# KiCad board oresat-live-card.kicad_pcb (continued)
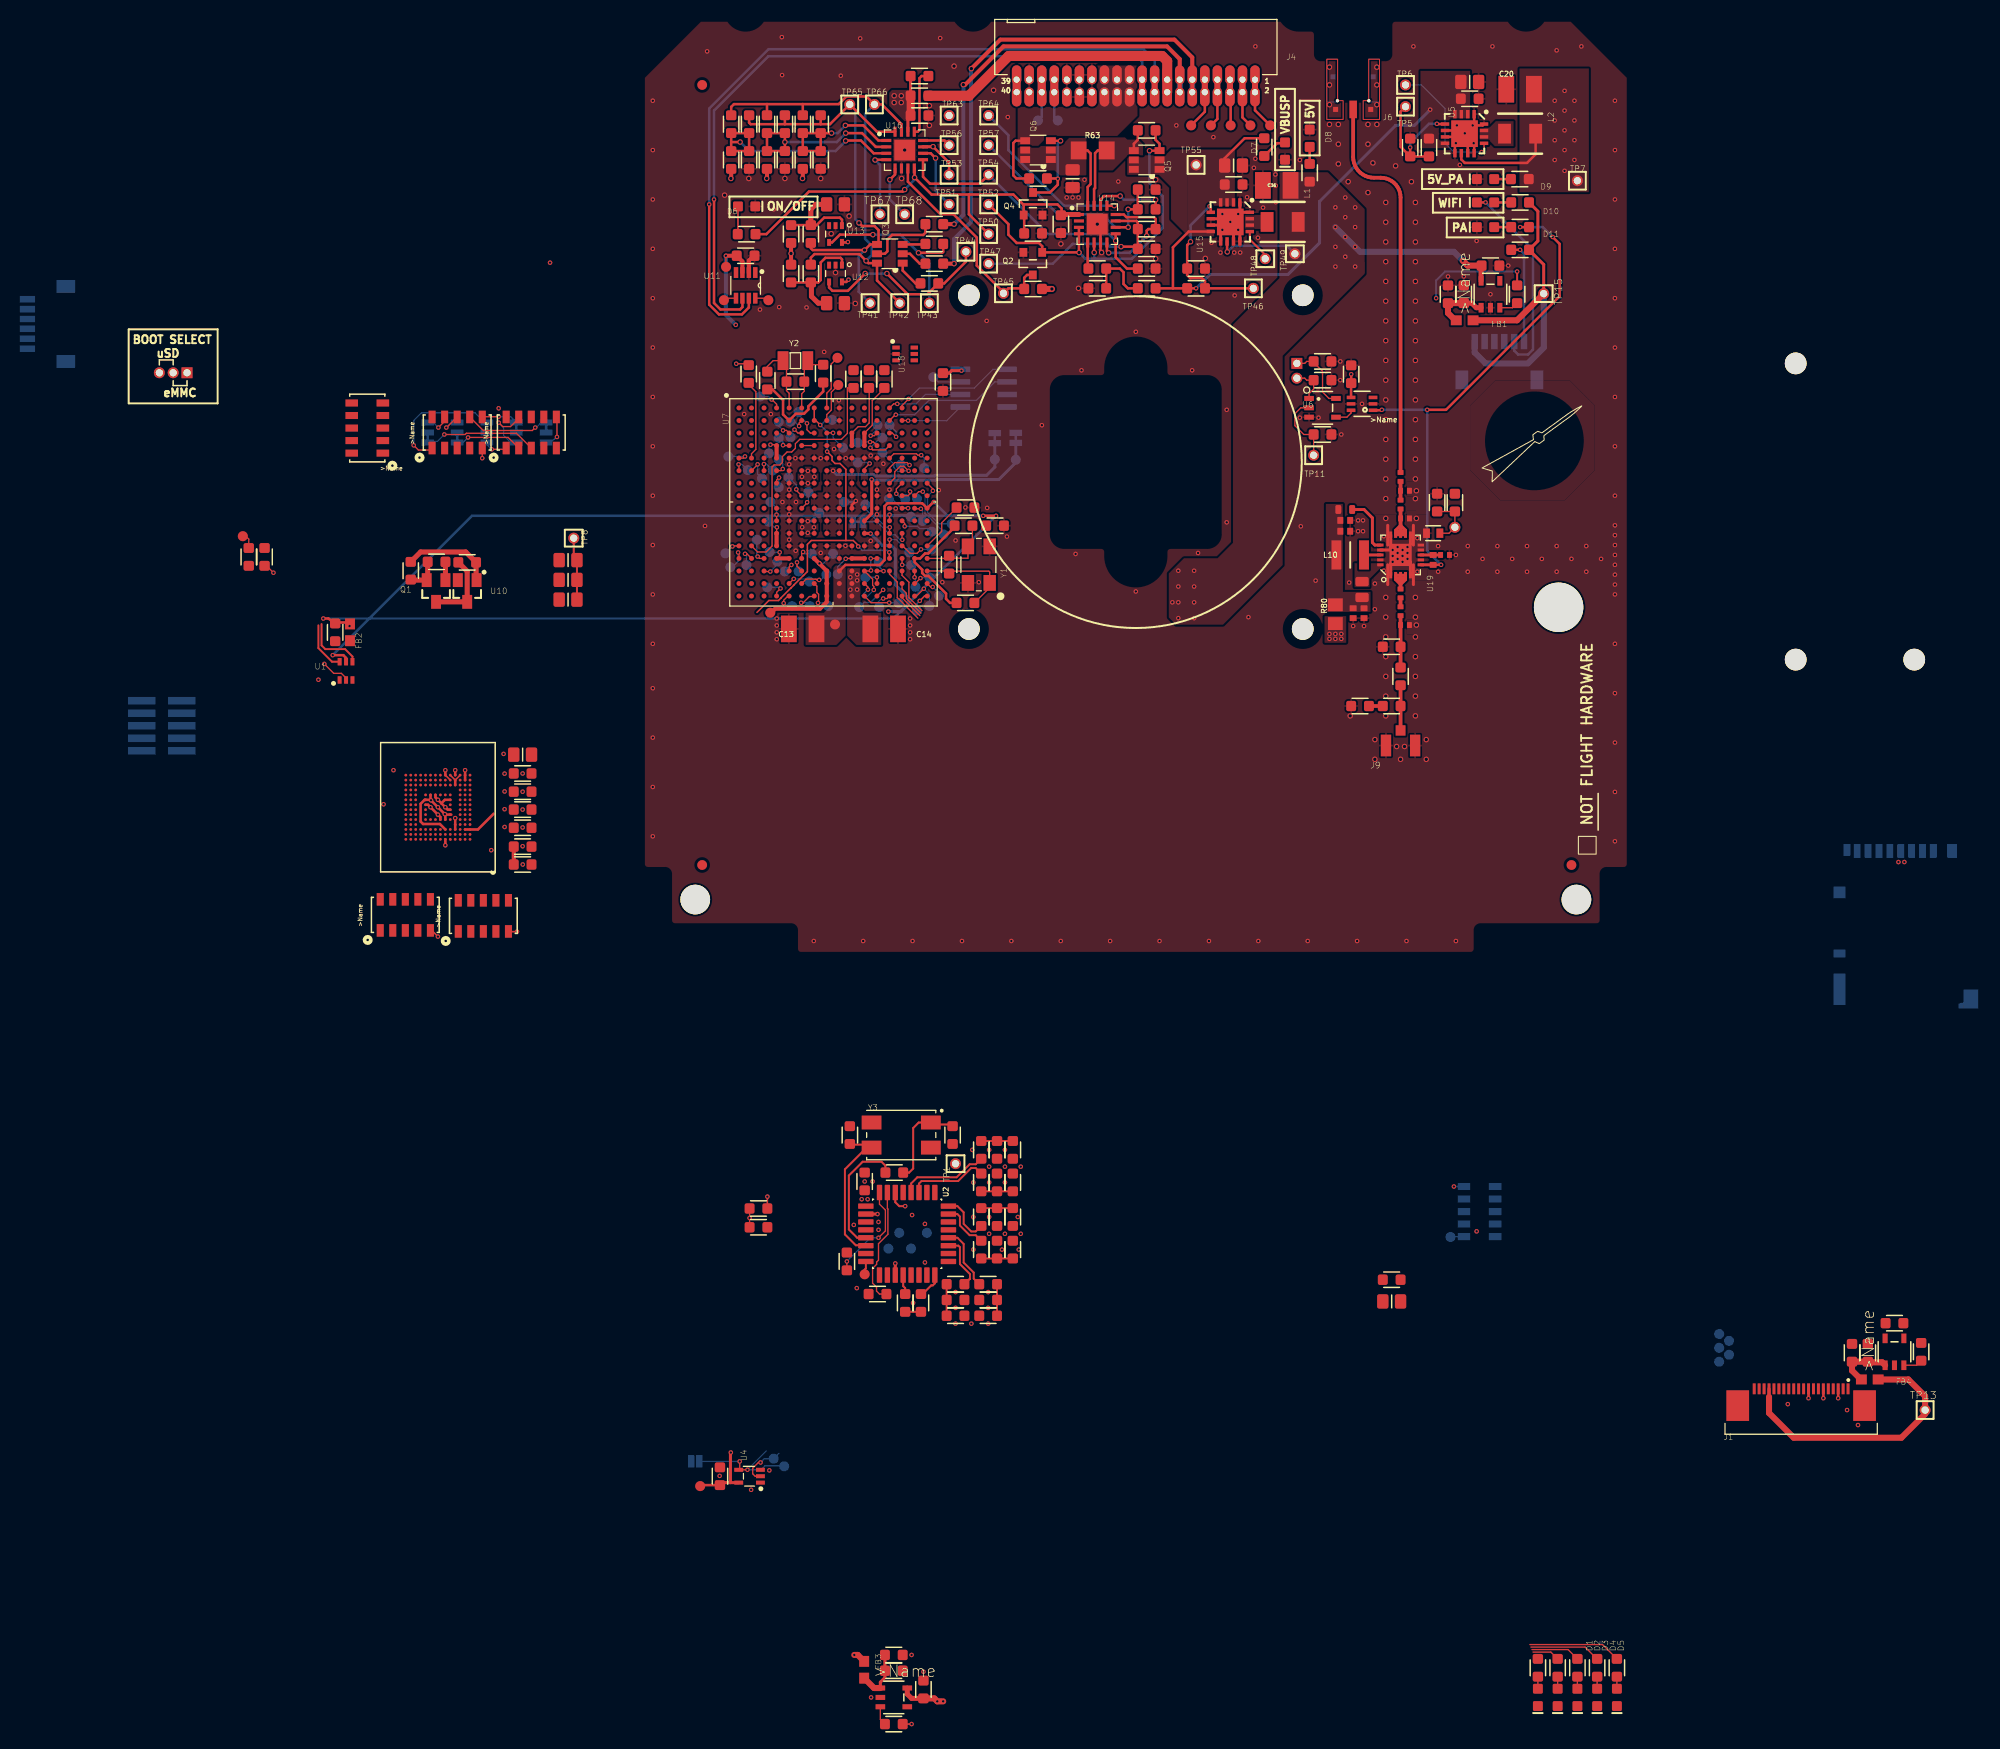
[diagram p0: board, top side]
## Routing (per net, layer and track width the routed paths; a pad name or vN(x,y) marks a point on that pad's centre or on a via; arc(x,y) is an arc through that point) (continued)
VBUS: length 6.3
  Top w0.254: R52.2 37.81,78.52 37.5,78.84 37.5,82.12 37.73,82.35 Q6.4
VBUSP: length 52
  Top w0.254: U15.8 55.25,73.15 53.66,71.56 53.66,67.4 ; R61.2 60.92,82.6 58.89,80.57 C38.1 ; v1(56,67.4) R34.2 53.66,67.4 ; 53.66,67.4 C33.2
  Bottom w0.305: v1(56,67.4) 57.4,68.8 65.3,68.8 68.5,72 68.5,76.2 76.2,83.9 78.1,83.9 v1(79.7,85.5)
VDD: length 1.5
  Bottom w0.254: TP3.1 17.01,43.82 v1(16.69,43.82)
  vias: v1(16.12,43.2) v1(16.69,42.64) v1(17.31,43.2)
VIN_USB: length 173.2
  Top w0.254: v1(29.45,45.76) 29.41,45.76 U7.J16 28.27,45.63 24.76,45.63 24.46,45.34 24.46,39.88 23.97,39.39 20.5,39.39 U7.P9 ; v1(-31.4,30.25) -30.33,30.25 -30.05,29.97 -30.05,29.59 U1.5 ; v1(35.75,44.36) v1(34.45,44.36) ; FB2.2 -29.8,33.56 -31.05,33.56 C4.1 -31.84,33.96 v1(-32.35,33.96)
  Bottom w0.254: v1(-32.35,33.96) 25.35,33.96 v1(35.75,44.36) -17.29,44.36 v1(-31.4,30.25) ; v1(34.45,44.36) 30.85,44.36 v1(29.45,45.76)
AD0: length 14.9
  Top w0.254: U16.1 23.84,82.37 22.31,83.9 v2(20.5,83.9) ; v2(19.09,83.12) 18.01,83.12 R70.1 ; R70.1 R69.2 R57.1 R58.2 R70.1
  Bottom w0.254: v2(20.5,83.9) 19.72,83.12 v2(19.09,83.12)
AD1: length 18.5
  Top w0.254: U16.2 23.58,81.72 22.19,83.12 v2(20.53,83.12) ; v2(14.38,82.21) R68.1 R67.2 R55.1 R56.2 v2(14.38,82.21)
  Bottom w0.254: v2(20.53,83.12) 19.62,82.21 v2(14.38,82.21)
AD2: length 24.3
  Top w0.254: v2(20.53,82.34) 20.56,82.37 22.07,82.37 23.36,81.07 U16.3 ; 8.94,82.21 R53.1 R54.2 R66.1 R65.2 8.94,82.21 ; 8.94,82.21 v2(9.84,82.21)
  Bottom w0.254: v2(20.53,82.34) 19.49,81.3 10.76,81.3 v2(9.84,82.21)
BOOT0: length 6.7
  Top w0.254: v2(29.62,80.59) 29.14,81.07 U16.10
  Bottom w0.254: v2(29.62,80.59) 29.62,77.27 TP51.1
CAM_~{OVERCUR}: length 1.9
  Top w0.127: U9.3 24.04,-77.54 R6.1
CAN1_H: length 5.6
  Top w0.813: J4.34 J4.33
  Bottom w0.254: J4.34 41.65,84.75 TP184.1
  Bottom w0.813: J4.34 J4.33
CAN1_L: length 5.6
  Top w0.813: J4.36 J4.35
  Bottom w0.254: TP183.1 40.38,84.77 J4.36
  Bottom w0.813: J4.36 J4.35
CAN2_H: length 78.1
  Top w0.254: U11.7 10.72,65.46 10.02,64.76 7.7,64.76 6.71,65.75 v1(6.71,75.9)
  Top w0.61: J4.18 J4.17
  Bottom w0.254: v1(6.71,75.9) 6.71,85.61 12.72,91.62 50.69,91.62 51.81,90.5 J4.17
  Bottom w0.61: J4.18 J4.17
CAN2_L: length 73.8
  Top w0.254: v1(7.2,76.4) 7.2,65.91 7.85,65.26 9.84,65.26 10.08,65.5 U11.6
  Top w0.61: J4.20 J4.19
  Bottom w0.254: v1(7.2,76.4) 7.2,85.4 12.7,90.9 50,90.9 50.53,90.36 J4.19
  Bottom w0.61: J4.20 J4.19
CB-RESET: length 29.8
  Top w0.254: TP54.1 34.09,77.99 29.06,77.99 28.36,78.7 U16.9 ; U14.9 v2(47.86,72.21) 47.86,70.54 49,69.4 R39.2
  Bottom w0.254: TP54.1 41,72.9 47.17,72.9 v2(47.86,72.21)
CB_CTRL: length 38
  Top w0.254: v2(45.69,71.02) 45.68,71.04 U14.6 ; 44.14,71.04 44.14,71.05 U14.4 U14.3 ; 44.14,71.04 Q2.1 40.42,71.67 40.09,71.99 37.84,71.99 37,72.84 37,73.9 TP52.1 ; 44.14,71.04 v2(44.16,71.02) ; R64.1 51.9,82.44 52.3,82.04 Q5.3 52.29,81.34 v2(51.28,81.34)
  Bottom w0.254: 45.69,70.4 49.5,70.4 52.62,73.52 52.62,76.71 51.28,78.06 v2(51.28,81.34) ; 45.69,70.4 44.78,70.4 v2(44.16,71.02) ; 45.69,70.4 v2(45.69,71.02)
HO_~{OVERCUR}: length 1.9
  Top w0.127: U21.3 128.94,-41.66 R76.1
I2C0_SCL: length 0.9
  Top w0.127: 22.88,59.38 R73.1 23.04,59.11 ; 23.04,59.11 23.04,58.84 ; 23.04,59.11 23.27,59.11
I2C0_SDA: length 0.4
  Top w0.127: R74.1 24.71,58.85
IOUT: length 7.5
  Top w0.254: v2(51.91,76.37) 51.9,76.36 R50.2 ; v2(48.31,76.74) 46.68,76.74 46.32,76.38 U14.14
  Bottom w0.254: v2(51.91,76.37) 48.69,76.37 v2(48.31,76.74)
N$1: length 1.3
  Top w0.127: U7.D6 U7.D7
N$2: length 1.2
  Top w0.127: R5.2 D5.A
N$3: length 2.1
  Top w0.254: U7.J10 21.16,45.47 v1(21.55,45.86)
  Bottom w0.254: TP9.1 21.45,45.76 v1(21.55,45.86)
N$10: length 1.4
  Bottom w0.127: R8.6 81.79,-28.64 TP22.1
N$13: length 1.4
  Top w0.127: U11.8 12.5,66.4 TP40.1
N$14: length 1.3
  Top w0.127: U11.5 8.4,66.4 TP35.1
N$15: length 11.5
  Top w0.127: v1(-20.1,52.6) -17.99,52.6 -17.87,52.72 -12.79,52.72 R25.3
  Bottom w0.127: JP105.3 -21.68,51.9 -20.8,51.9 v1(-20.1,52.6)
N$16: length 2.6
  Top w0.127: v1(-20.7,53.3) -20.07,53.93 R24.9
  Bottom w0.127: v1(-20.7,53.3) -21.22,53.82 JP105.1
N$17: length 2.9
  Top w0.127: R24.8 -19.87,53.3 v1(-19.9,53.3)
  Bottom w0.127: v1(-19.9,53.3) -19.4,53.8 -18.82,53.8 JP106.1
N$18: length 12.8
  Top w0.127: v1(-23.2,51.5) -22.73,51.03 -21.54,51.03 R24.1
  Bottom w0.127: -16.12,53.82 -16.12,53.93 -16.99,54.8 -22.4,54.8 -23.2,54 v1(-23.2,51.5)
  Bottom w0.2: JP107.3 -16.12,53.82
N$19: length 1.7
  Top w0.254: R21.2 D10.A
N$20: length 3.5
  Top w0.508: R28.2 -23.45,37.85 Q1.E -21.79,37.95 R23.2
N$21: length 8.6
  Top w0.127: R24.7 -16.16,53 -11.2,53 v1(-10.9,53.3)
  Bottom w0.127: v1(-10.9,53.3) -10.82,53.3 -10.3,53.82 JP109.3
N$22: length 9.3
  Top w0.508: R28.1 -22.5,40.7 -17.94,40.7 R31.2 -16.89,37.9 U10.1
N$23: length 1.9
  Top w0.508: R23.1 Q1.B ; -18.75,37.84 U10.2
N$24: length 3.7
  Top w0.127: v1(-14.6,54.4) -16.23,54.4 R24.6
  Bottom w0.127: v1(-14.6,54.4) -13.38,54.4 JP108.3
N$25: length 11.1
  Top w0.254: U12.1 20.15,69.89 20.16,69.9 20.16,70.34 20.01,70.49 18.47,70.49 18,70.02 18,68.24 17.76,68 R37.1 R36.1
  Top w0.508: 17.06,68 17.06,66.59 17.75,65.9 C32.1
N$26: length 1.7
  Top w0.254: R30.2 D11.A
N$27: length 18.5
  Top w0.254: v2(24.7,68.9) 26.8,66.8 28.8,66.8 R35.1 30.5,67.9 32.7,70.1 TP44.1 ; U12.4 18.85,67.49 19.19,67.15 20.75,67.15 v2(22.5,68.9)
  Bottom w0.254: v2(22.5,68.9) v2(24.7,68.9)
N$28: length 7.7
  Top w0.127: v1(25.75,55.7) 25.38,55.7 U7.A13
  Bottom w0.127: U17.6 28.6,56.65 27.65,55.7 v1(25.75,55.7)
N$29: length 13.5
  Top w0.127: U7.B13 25.55,54.6 v1(25.6,54.6)
  Bottom w0.127: v1(25.6,54.6) 27.5,54.6 28.95,56.05 33.75,56.05 35.62,57.92 U17.2
N$30: length 6.5
  Top w0.127: v1(26.85,54) 26.83,54.02 U7.B14
  Bottom w0.127: v1(26.85,54) 30.76,54 U17.5
N$31: length 12.4
  Top w0.127: v1(26.9,56.2) 26.23,55.53 U7.A14
  Bottom w0.127: U17.1 35.44,59.19 33.55,57.3 28,57.3 v1(26.9,56.2)
N$32: length 2.8
  Top w0.254: U16.12 30.53,82.37 TP56.1
N$33: length 2.4
  Top w0.127: U7.A4 13.53,55.66 13.04,56.16 v1(13.03,56.14)
  Bottom w0.127: TP30.1 12.73,56.44 v1(13.03,56.14)
N$34: length 1.8
  Top w0.127: U7.C5 14.54,53.01 v1(14.19,53.01)
  Bottom w0.127: TP180.1 13.75,53.45 v1(14.19,53.01)
N$35: length 2.3
  Top w0.127: v1(13.93,37.01) 13.53,36.61 U7.T4
  Bottom w0.127: TP104.1 13.81,37.12 v1(13.93,37.01)
N$36: length 1.7
  Top w0.127: v1(15.03,39.39) 14.8,39.16 U7.P5
  Bottom w0.127: v1(15.03,39.39) 15,39.39 TP123.1
N$37: length 2.4
  Top w0.127: U7.R5 15.27,37.97 v1(15.27,37.98)
  Bottom w0.127: TP115.1 16.57,37.98 v1(15.27,37.98)
N$38: length 2
  Top w0.127: U7.T5 14.68,36.24 14.25,35.81 v1(14.25,35.51)
  Bottom w0.127: v1(14.25,35.51) 14.45,35.31 15.02,35.31 TP105.1
N$39: length 2
  Top w0.127: v1(15.6,39.65) 15.6,39.25 U7.P6
  Bottom w0.127: TP124.1 15.6,38.89 v1(15.6,39.65)
N$40: length 2.9
  Top w0.127: U7.R6 16.52,37.95 17.53,37.95 17.61,37.87 v1(17.84,37.87)
  Bottom w0.127: TP120.1 18.01,37.87 v1(17.84,37.87)
N$41: length 1.6
  Top w0.127: v1(26.25,39.39) 26.23,39.4 U7.N14
  Bottom w0.127: v1(26.25,39.39) 27.15,39.39 TP125.1
N$42: length 1.6
  Top w0.127: U7.P15 27.5,38.14 v1(27.5,38.14)
  Bottom w0.127: v1(27.5,38.14) 27.59,38.04 TP114.1
N$43: length 1.9
  Top w0.127: U7.R16 29.12,37.16 v1(29.33,37.16)
  Bottom w0.127: TP111.1 29.97,36.52 v1(29.33,37.16)
N$44: length 2.1
  Top w0.127: U7.C12 23.42,52.48 v1(23.06,52.48)
  Bottom w0.127: TP177.1 23.75,53.17 v1(23.06,52.48)
N$45: length 2.3
  Top w0.127: v1(25.63,52.36) 25.24,52.75 U7.C13
  Bottom w0.127: v1(25.63,52.36) 25.63,52.88 TP178.1
N$46: length 1.8
  Top w0.127: v1(9.69,49.57) 9.72,49.54 U7.F1
  Bottom w0.127: v1(9.69,49.57) 10.03,49.57 TP162.1
N$47: length 1.8
  Top w0.127: v1(12.25,49.6) 12.25,48.95 U7.F3
  Bottom w0.127: v1(12.25,49.6) 12.51,49.6 TP153.1
N$48: length 2.5
  Top w0.127: v1(11.61,49.57) 11.61,49.56 U7.F2
  Bottom w0.127: v1(11.61,49.57) 11.61,48.6 TP152.1
N$49: length 2.4
  Top w0.127: U7.E1 10.17,50.21 v1(10.34,50.37)
  Bottom w0.127: TP159.1 8.66,50.37 v1(10.34,50.37)
N$50: length 2.9
  Top w0.127: v1(26.84,45.14) 26.25,45.14 U7.J14
  Bottom w0.127: TP143.1 25.24,46.07 26.1,45.21 26.77,45.21 v1(26.84,45.14)
N$51: length 3.8
  Top w0.127: v1(23.03,51.25) 23.05,51.25 23.26,51.04 24.52,51.04 U7.D13
  Bottom w0.127: TP174.1 24.04,52.26 v1(23.03,51.25)
N$52: length 4.9
  Top w0.127: U7.E13 25.41,50.65 27.69,50.65 27.83,50.5 v1(28.18,50.5)
  Bottom w0.127: v1(28.18,50.5) 28.47,50.21 TP158.1
N$53: length 70.8
  Top w0.254: 7.8,-53.55 C18.1 5.8,-53.8 TP14.1 ; 8.86,-53.55 8.8,-53.55
  Top w0.305: v1(8.9,-50.5) 8.86,-50.54 8.86,-53.55 U4.5 ; v1(23.05,42.56) 23.02,42.59 U7.L11 ; v1(23.15,48.04) 23.17,48.03 23.17,44.6 U7.K11 ; 7.8,-53.55 8.8,-53.55
  In2.Cu w0.305: v1(24.85,34.66) 3.05,34.66 ; v1(8.9,-50.5) 10.15,-49.25 15.95,-49.25
  Bottom w0.305: JP104.1 TP164.1 37.75,49.76 36.02,48.04 29.77,48.04 29.71,47.97 23.23,47.97 v1(23.15,48.04) ; v1(24.85,34.66) 26.14,34.66 26.87,35.4 26.87,36.04 25.55,37.36 25.55,40.96 25.15,41.36 24.25,41.36 v1(23.05,42.56)
N$54: length 6.2
  Top w0.127: v1(28.33,46.81) 27.92,46.81 U7.H15
  Bottom w0.127: v1(28.33,46.81) 28.56,46.59 28.56,44.61 30.46,42.71 TP137.1
N$55: length 2.1
  Top w0.127: U7.H14 26.84,46.4 27.04,46.6 v1(27.04,46.82)
  Bottom w0.127: TP149.1 27.04,46.78 v1(27.04,46.82)
N$56: length 6.3
  Top w0.127: v1(29.36,46.9) 29.36,47.09 U7.G16
  Bottom w0.127: v1(29.36,46.9) 28.81,46.35 28.81,44.71 29.97,43.56 TP135.1
N$57: length 2.1
  Top w0.127: v1(23,51.84) 23.33,51.84 U7.D12
  Bottom w0.127: v1(23,51.84) 21.83,51.84 TP172.1
N$58: length 1.9
  Top w0.127: U7.J6 16.62,45.68 v1(16.62,45.73)
  Bottom w0.127: TP150.1 16.75,45.86 v1(16.62,45.73)
N$59: length 2.2
  Top w0.127: v1(13.53,44.48) 13.53,44.48 U7.K4
  Bottom w0.127: v1(13.53,44.48) 13.53,45.14 TP145.1
N$60: length 2.4
  Top w0.127: U7.H6 15.53,46.94 v1(15.53,47.04)
  Bottom w0.127: TP157.1 15.53,47.48 v1(15.53,47.04)
N$61: length 1.6
  Top w0.127: U7.D5 14.22,51.48 v1(14.19,51.51)
  Bottom w0.127: v1(14.19,51.51) 14.19,51.82 TP173.1
N$62: length 6.9
  Top w0.127: U7.G13 25.5,48.2 25.5,48.82 26.05,49.38 26.42,49.38 26.88,48.92 v1(26.9,48.92)
  Bottom w0.127: TP166.1 25.4,49.62 25.4,49.25 25.8,48.85 26.38,48.85 26.46,48.92 v1(26.9,48.92)
N$63: length 3.5
  Top w0.127: U7.F13 24.97,49.22 25.5,49.75 26.74,49.75 v1(26.99,49.5)
  Bottom w0.127: TP160.1 26.95,49.54 v1(26.99,49.5)
N$64: length 1.6
  Top w0.127: v1(13.78,48.23) 13.53,47.98 U7.G4
  Bottom w0.127: TP154.1 13.75,48.2 v1(13.78,48.23)
N$65: length 1.8
  Top w0.127: U7.F4 13.99,48.94 v1(14.16,49.11)
  Bottom w0.127: v1(14.16,49.11) 14.16,49.66 TP156.1
N$66: length 13.6
  Top w0.127: v3(84.9,81.2) 85.15,81.45 U5.13
  Bottom w0.127: v3(84.9,81.2) 82.1,81.2 81.2,82.1 81.2,85.6 78.8,88 TP6.1
N$67: length 2.6
  Top w0.127: v1(19.25,52.76) 18.63,52.76 U7.C8
  Bottom w0.127: v1(19.25,52.76) 19.25,52.26 TP169.1
N$68: length 3
  Top w0.127: v1(16.61,53.73) 16.61,53.09 16.94,52.75 U7.C7
  Bottom w0.127: TP176.1 15.75,54.58 v1(16.61,53.73)
N$69: length 1.8
  Top w0.127: U7.C6 15.69,52.75 v1(15.35,53.09)
  Bottom w0.127: v1(15.35,53.09) 14.94,52.68 TP175.1
N$70: length 1.7
  Top w0.127: v1(15.81,53.45) 15.81,53.75 U7.B6
  Bottom w0.127: v1(15.81,53.45) 15.38,53.89 TP181.1
N$71: length 4.1
  Top w0.127: TP38.1 19.78,57.6 19.08,56.89 19.08,55.08 18.61,54.62 U7.B8
N$72: length 5.5
  Top w0.127: U7.A8 18.61,56.79 19.07,57.24 19.07,59.73 TP39.1
N$73: length 2.9
  Top w0.127: v1(24.97,44.48) 24.97,44.48 U7.K13
  Bottom w0.127: TP141.1 26.92,44.46 24.99,44.46 v1(24.97,44.48)
N$74: length 2
  Top w0.127: U7.J15 27.56,45.07 v1(28.14,45.07)
  Bottom w0.127: v1(28.14,45.07) 28.3,44.91 28.3,43.85 TP139.1
N$75: length 2.6
  Top w0.127: v1(16.02,35.56) 16.22,35.56 16.85,36.19 17.3,36.19 U7.T7
  Bottom w0.127: TP106.1 16.58,35.56 v1(16.02,35.56)
N$76: length 4
  Top w0.127: U7.T12 v1(24.32,36.86)
  Bottom w0.127: v1(24.32,36.86) 23.06,35.6 22.41,35.6 TP100.1
N$77: length 1.8
  Top w0.127: U7.R12 23.69,38.13 v1(23.69,38.14)
  Bottom w0.127: TP118.1 v1(23.69,38.14)
N$78: length 1.8
  Top w0.127: v1(24.36,38.76) 24.34,38.78 U7.P12
  Bottom w0.127: v1(24.36,38.76) 23.88,39.25 TP126.1
N$79: length 2.2
  Top w0.127: U7.T13 24.71,35.98 v1(24.33,35.98)
  Bottom w0.127: TP101.1 23.58,35.4 24.17,35.98 v1(24.33,35.98)
N$80: length 1.2
  Top w0.127: R4.2 D4.A
N$81: length 1.2
  Top w0.127: R3.2 D3.A
N$82: length 3.2
  Top w0.127: U7.T15 27.7,36.24 v1(28.44,36.98)
  Bottom w0.127: v1(28.44,36.98) 29,36.42 TP108.1
N$83: length 1.8
  Top w0.127: U7.R15 27.56,37.51 v1(28.1,38.05)
  Bottom w0.127: v1(28.1,38.05) 28.16,38.11 TP117.1
N$84: length 2.1
  Top w0.152: v1(28.02,35.75) 28.51,36.24 U7.T16
  Bottom w0.152: v1(28.02,35.75) 27.75,35.47 TP103.1
N$85: length 2
  Top w0.127: U7.P3 12.32,38.72 v1(12.9,38.72)
  Bottom w0.127: v1(12.9,38.72) 13.6,39.42 TP122.1
N$86: length 3.3
  Top w0.127: U7.R7 17.61,37.24 17.61,36.59 17.79,36.42 17.79,35.6 v1(17.72,35.54)
  Bottom w0.127: v1(17.72,35.54) 18.44,35.54 TP107.1
N$87: length 1.2
  Top w0.127: R2.2 D2.A
N$88: length 1.2
  Top w0.127: R1.2 D1.A
N$89: length 3.5
  Top w0.127: v1(28.15,40.96) 27.75,40.56 27.05,40.56 26.27,41.35 U7.M14
  Bottom w0.127: TP12.1 v1(28.15,40.96)
N$92: length 4.3
  Top w0.127: U7.L13 24.97,43.18 v1(24.99,43.2)
  Bottom w0.127: TP144.1 22.61,45.4 22.61,44.97 23.56,44.02 23.79,44.02 24.61,43.2 v1(24.99,43.2)
N$93: length 1.7
  Top w0.127: U7.M1 9.12,41.32 v1(9.06,41.26)
  Bottom w0.127: v1(9.06,41.26) 9.06,41.27 TP134.1
N$94: length 2.5
  Top w0.127: v1(11.61,40.24) 11.62,40.24 11.81,40.05 U7.N3
  Bottom w0.127: v1(11.61,40.24) 11.53,40.32 TP131.1
N$95: length 2
  Top w0.127: v1(10.34,40.51) 10.53,40.51 U7.N2
  Bottom w0.127: v1(10.34,40.51) 10.49,40.36 TP127.1
N$96: length 2.6
  Top w0.127: v1(9.64,40.65) 9.72,40.57 U7.N1
  Bottom w0.127: v1(9.64,40.65) 9.64,39.75 9.05,39.16 TP128.1
N$97: length 2.4
  Top w0.127: v1(25.66,46.6) 25.66,47.09 U7.G14
  Bottom w0.127: v1(25.66,46.6) 26.18,46.07 TP148.1
N$98: length 6.8
  Top w0.254: U14.16 45.03,77.66 45.32,77.96 45.32,81.05 45.01,81.37 R63.1
N$99: length 8.9
  Top w0.254: R63.2 46.05,81.37 45.78,81.09 45.78,77.56 45.68,77.46 U14.15 ; R64.2 50.1,82.44 49.7,82.04 Q5.4
N$100: length 9.6
  Top w0.254: U13.1 20.15,73.89 20.16,73.9 20.16,74.34 19.94,74.56 18.34,74.56 17.59,73.8 R45.1 R44.1
  Top w0.508: C35.1 17.5,75.9 17,75.4 R45.1
N$101: length 8.1
  Top w0.127: U7.E2 11,50.65 11.44,51.1 11.44,56.93 10.64,57.72 R22.1
N$102: length 5.4
  Top w0.127: U7.L14 26.23,41.96 v1(26.26,41.94)
  Bottom w0.127: v1(26.26,41.94) 26.03,41.94 25.53,42.43 25.02,42.43 23.69,43.76 JP100.1
N$103: length 6.5
  Top w0.254: TP62.1 61.97,85.43 J4.2
  Top w0.61: J4.1 J4.2
  Bottom w0.61: J4.2 J4.1
N$104: length 3.6
  Top w0.127: U7.K14 26.5,43.59 v1(26.5,43.3)
  Bottom w0.127: v1(26.5,43.3) 27.8,43.3 28.04,43.06 28.95,43.06 TP138.1
N$105: length 6.9
  Top w0.127: R25.2 -13.64,52.3 v1(-17.7,52.3)
  Bottom w0.127: v1(-17.7,52.3) -18.2,51.8 -18.78,51.8 JP106.3
N$106: length 2.4
  Top w0.127: R25.1 -13.97,51.1 v1(-15.3,51.1)
  Bottom w0.127: v1(-15.3,51.1) -15.31,51.1 -15.8,51.59 JP107.1
N$107: length 5.8
  Top w0.127: v1(-14.6,53.8) -14.2,53.4 -13.4,53.4 -12.57,54.23 R25.9
  Bottom w0.127: JP108.1 -12.82,51.8 -13.4,51.8 -14.1,52.5 -14.1,53.3 v1(-14.6,53.8)
N$108: length 3.4
  Top w0.127: R25.6 -8.7,54.31 v1(-8.7,52.35)
  Bottom w0.127: v1(-8.7,52.35) -9.36,51.8 -9.78,51.8 JP109.1
N$109: length 1.7
  Top w0.254: R11.1 D9.A
N$110: length 1.9
  Top w0.127: R59.1 v1(10.8,-26.75) R60.2
N$111: length 2.9
  Bottom w0.127: U17.7 29.89,57.92 TP69.1
N$113: length 2.3
  Top w0.254: R43.2 28.55,71.85 Q3.3
N$114: length 6.7
  Top w0.127: U7.C11 23.22,53.54 23.22,56.03 24.44,57.26 R74.2
  Top w0.406: U7.C11 U7.D11
N$115: length 25.5
  Top w0.127: R75.2 20.7,57.31 20.7,52.71 20.09,52.11 15.88,52.11 15.44,51.67 15.44,51.2 15.06,50.82 14.59,50.82 14.12,50.36 14.12,49.76 13.88,49.51 13.28,49.51 13.08,49.31 13.08,41.31 12.47,40.7 11.61,40.7 U7.M2
N$116: length 7
  Top w0.127: U7.C10 21.8,53.39 22.53,53.39 22.91,53.76 22.91,57.31 R73.2
  Top w0.406: U7.C10 U7.D10
N$117: length 3.1
  Top w0.254: Q3.1 26.3,69.2 27.6,67.9 R35.2
N$118: length 3.8
  Top w0.127: U6.1 67.44,56.74 67.9,57.2 R16.2 67.2,58.1 67,58.3 J5.P$2
N$119: length 2
  Top w0.127: U8.6 71.69,54.78 71.26,54.35 U6.4
N$120: length 10.2
  Top w0.127: U2.24 23.95,-25.35 24.55,-25.95 24.55,-28.05 v1(23.85,-28.75) ; R100.2 v1(20.65,-31.15)
  Bottom w0.127: v1(20.65,-31.15) 23.05,-28.75 v1(23.85,-28.75)
N$122: length 5.6
  Top w0.305: U9.1 24.04,-73.76 24.5,-73.3 C7.1 C27.1
  Top w0.61: FB3.1 23.4,-74.35 U9.1
N$124: length 5.7
  Top w0.305: 83.17,65.83 C42.1 ; 82.29,64.16 FB1.1
  Top w0.5: U20.1 84.36,65.44 83.9,65.9 83.24,65.9 83.17,65.83
  Top w0.61: 82.29,64.16 82.24,64.16 81.5,64.9 C53.1 C42.1
N$126: length 5.7
  Top w0.61: FB4.1 123.3,-43.1 122.4,-42.2 C56.1 C55.1 124.06,-41.36 125.45,-41.36 U21.1
N$127: length 11.9
  Top w0.127: R101.2 23.95,-34.45 23.65,-34.15 23.65,-33.75 23.25,-33.35 23.25,-31.85 23.66,-31.44 23.66,-31.21 23.85,-31.02 23.85,-29.35 24.8,-28.4 24.8,-25.84 24.75,-25.79 U2.23
N$135: length 2
  Top w0.3: C47.1 R81.2 U19.8
N$136: length 6.5
  Top w0.127: U19.13 76.5,42.65 76.5,42.75
  Top w0.3: 77.2,42.9 76.7,43.4 76.2,42.9 U19.14 U19.13 U19.12 77.2,42.9
  Top w0.38: L9.1 C50.1 76.7,42.75
  Top w0.5: 76.5,42.75 77,42.75
N$137: length 1.9
  Top w0.38: L9.2 C52.1 C49.1
N$138: length 7.5
  Top w0.127: 77.05,38.1 77.2,38.25 U19.4 ; 76.4,38.1 76.4,37.9
  Top w0.3: U19.3 76.7,37.4 ; U19.3 U19.4 77.2,37.9 76.7,37.4 ; U19.3 U19.2 76.2,37.9 76.7,37.4 ; 77.05,38.1 76.4,38.1 ; 76.4,37.9 77.05,37.9
  Top w0.38: R84.2 U19.3
N$139: length 5.8
  Top w0.3: U19.16 74.1,41.4 73.85,41.65 73.85,44.15 73,45 R82.1